# Altium PCB VCTS_mainboard_Photo.PcbDoc (part 2 of 4)
Units mm, origin at the board's own origin, x right, y up, seen from the top; angles counter-clockwise.
Board outline 215 x 98 mm, 6 copper layers (Top Copper, Signal Layer 1, Signal Layer 2, Signal Layer 3, Signal Layer 4, Bottom Copper), stack 1.502 mm thick; 528 components, 359 nets, 1476 pads, 756 vias.
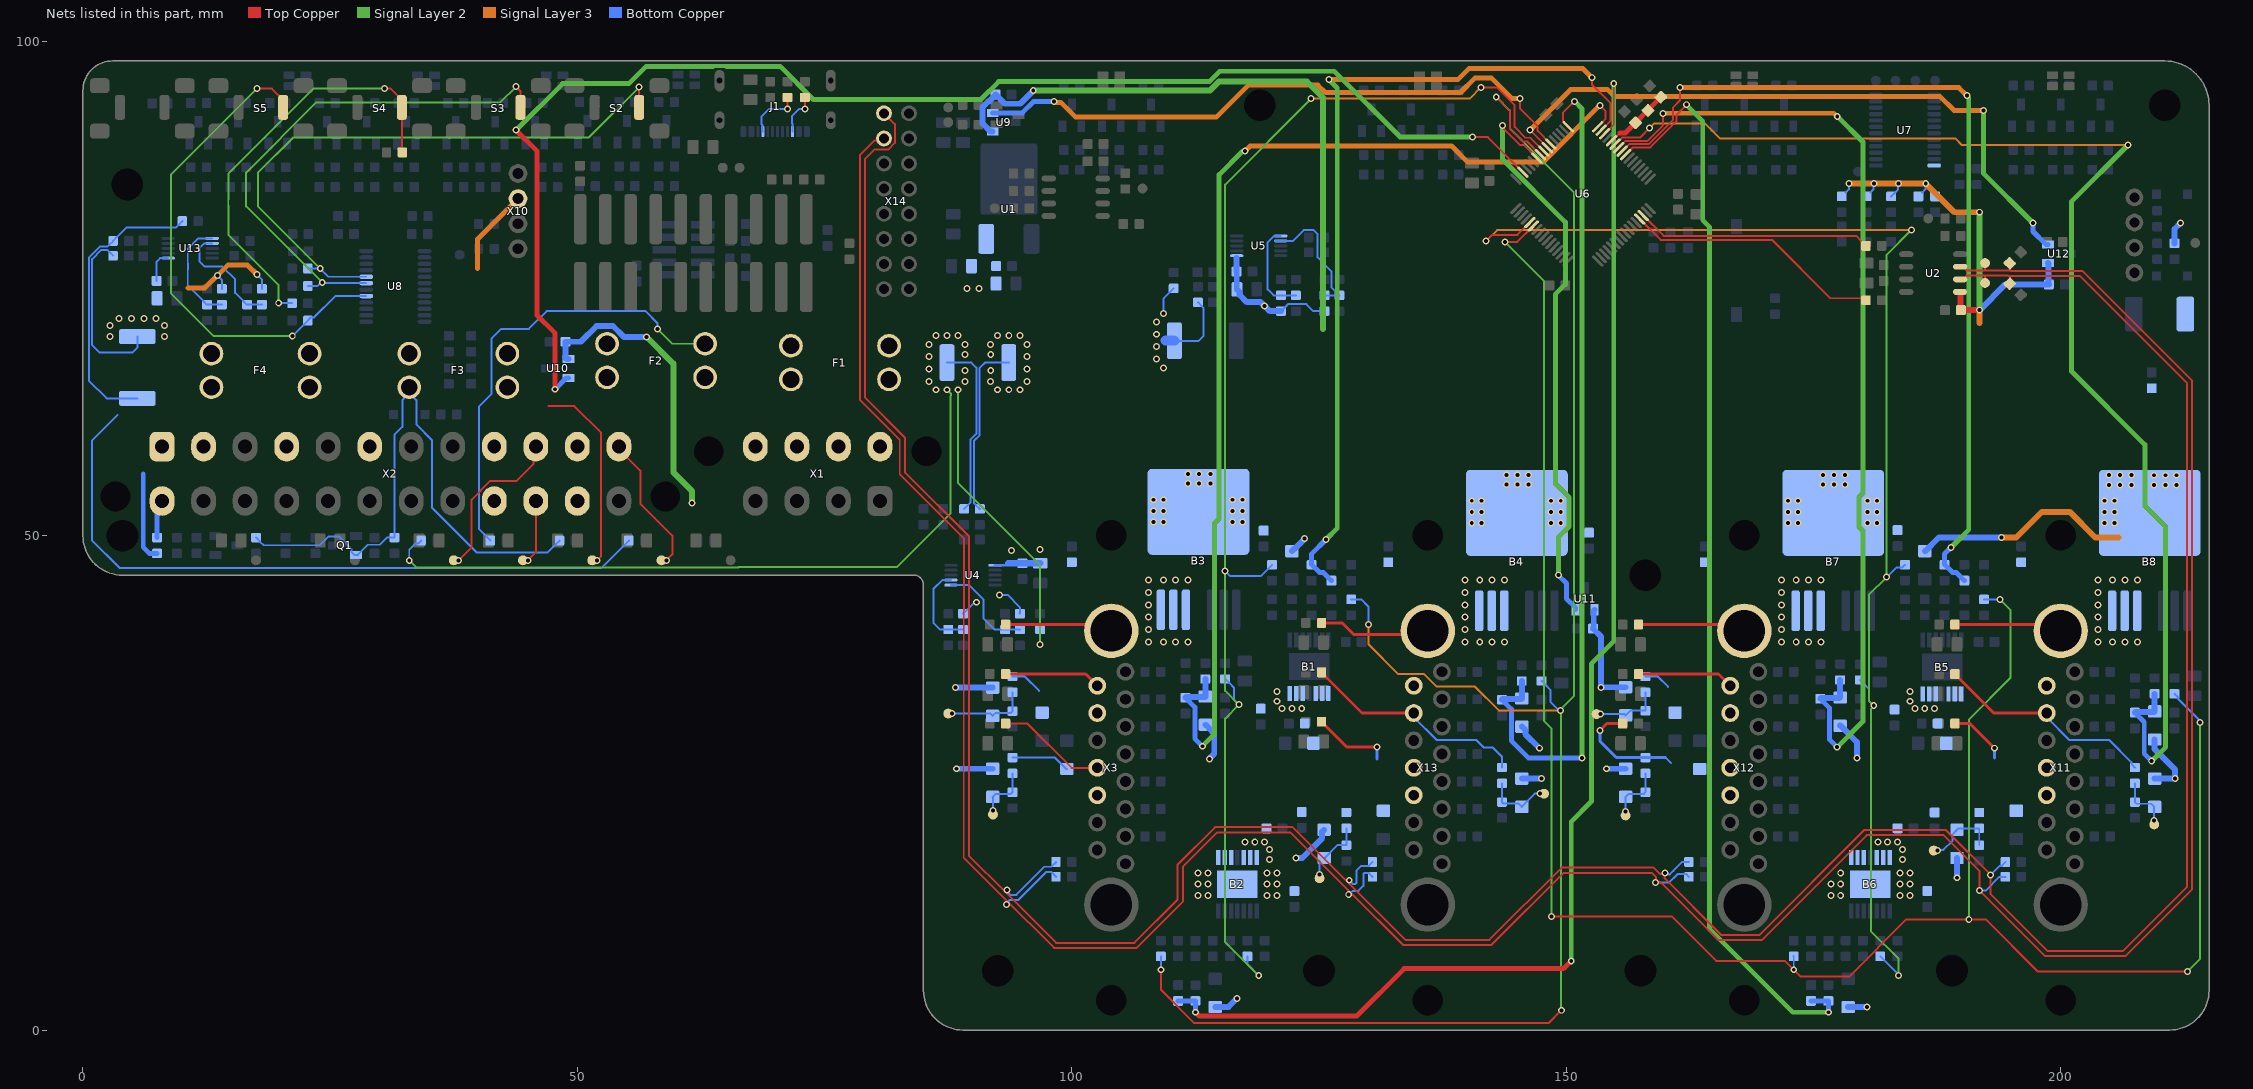
[diagram p6: the nets of this part, all layers, seen from the top]

## Components (designator, comment, footprint, x,y, rotation, side; value= is the part's Value field where it differs from the comment) (continued)
TP32 "1mm Testpoint" 1mm_testpoint 87.5,32 r0 top (schematic designator TP3)
TP33 "1mm Testpoint" 1mm_testpoint 147.75,23.9 r180 top (schematic designator TP4)
TP34 "1mm Testpoint" 1mm_testpoint 107.15,85.1 r90 top (schematic designator TP5)
TP35 "1mm Testpoint" 1mm_testpoint 92.2,83.1 r90 top (schematic designator TP6)
TP36 "1mm Testpoint" 1mm_testpoint 213.6,79.6 r90 top (schematic designator TP7)
TP37 "1mm Testpoint" 1mm_testpoint 156,21.7 r0 top (schematic designator TP8)
TP38 "1mm Testpoint" 1mm_testpoint 187.15,18.15 r270 top (schematic designator TP9)
TP39 "1mm Testpoint" 1mm_testpoint 153.05,31.95 r0 top (schematic designator TP10)
TP40 "1mm Testpoint" 1mm_testpoint 209.45,20.8 r90 top (schematic designator TP11)
TP41 "1mm Testpoint" 1mm_testpoint 186.6,82.05 r90 top (schematic designator TP12)
U1 "NCP1117DT33T5G" DPAK3_TO-252-3 93.64,84.1 r90 bottom (schematic designator U12)
U2 "ATA6561" SOIC-8 187.1,76.55 r0 top (schematic designator U8)
U3 "W25X40CL" SOIC-8 100.395,84.218 r0 top (schematic designator U9)
U4 "INA220-Q1" TSSOP-10 90,46 r0 bottom (schematic designator U10)
U5 "INA220-Q1" TSSOP-10 118.9,79.3 r180 bottom (schematic designator U11)
U6 "STM32F302x6/8" "LQFP 10mm x 10mm" 151.689,84.561 r225 top (schematic designator U1)
U7 "NCA9535-Q100" "TSSOP-24. 4.4mm width" 184.25,91 r0 bottom (schematic designator U6)
U8 "NCA9535-Q100" "TSSOP-24. 4.4mm width" 31.6,75.2 r180 bottom (schematic designator U7)
U9 "TMP235A4DCKR" SOT23-3 93.1,91.8 r0 bottom (schematic designator U2)
U10 "TMP235A4DCKR" SOT23-3 48,66.9 r180 bottom (schematic designator U3)
U11 "TMP235A4DCKR" SOT23-3 151.9,43.6 r90 bottom (schematic designator U4)
U12 "TMP235A4DCKR" SOT23-3 199.8,78.5 r0 bottom (schematic designator U5)
U13 "INA220-Q1" TSSOP-10 10.85,79.05 r180 bottom (schematic designator U11)
X1 "ATX 8 Pin Aux Power" "MOLEX 039299042" 85.3,58.54 r0 top
X2 "ATX 24 Pin Main Power" "MOLEX 44206-000X" 3.3,53.96 r180 top
X3 "681M17W2203L" 681M17W2203L 102.578,26.52 r90 top locked (schematic designator X10)
X4 "GenericPinHeader(0.1in)" GenericPinHeader(.1in) 207.45,76.58 r90 bottom (schematic designator X6)
X5 "GenericPinHeader(0.1in)" GenericPinHeader(.1in) 207.45,79.12 r90 bottom (schematic designator X7)
X6 "GenericPinHeader(0.1in)" GenericPinHeader(.1in) 207.45,81.66 r90 bottom (schematic designator X8)
X7 "GenericPinHeader(0.1in)" GenericPinHeader(.1in) 207.45,84.2 r90 bottom (schematic designator X9)
X8 "20021121-00010C4LF" HDR2X5_SMT 60.734,78.895 r90 bottom (schematic designator X3)
X9 "HTST-110-01-L-DV-A" HTSS-110-01-L-DV 61.73,78.571 r180 top (schematic designator X4)
X10 "" "RTC Module Generic" 25.966,82.82 r180 top (schematic designator X5)
X11 "681M17W2203L" 681M17W2203L 198.578,26.52 r90 top locked (schematic designator X10)
X12 "681M17W2203L" 681M17W2203L 166.578,26.52 r90 top locked (schematic designator X10)
X13 "681M17W2203L" 681M17W2203L 134.578,26.52 r90 top locked (schematic designator X10)
X14 "" 2x8PinHeader_0.1in 83.54,74.92 r90 top (schematic designator X11)

## Footprints (in the part's own frame and the unit in brackets; to place one, negate y for a bottom-side part, rotate by r counter-clockwise, add the part's x,y. Pads: shape width x height; smd on the part's side, far side on the other; paste and mask are expansions set on the pad)
1mm_testpoint [mm]
  round 1 smd paste-2539.97: 1(0,0)
2x8PinHeader_0.1in [mm] "Generic 2x8 (16pin) 0.1mm pitch pin header"
  round 1.6 hole 1.02: 1(0,0) 2(2.54,0) 3(5.08,0) 4(7.62,0) 5(10.16,0) 6(12.7,0) 7(15.24,0) 8(17.78,0) 9(17.78,2.54) 10(15.24,2.54) 11(12.7,2.54) 12(10.16,2.54) 13(7.62,2.54) 14(5.08,2.54) 15(2.54,2.54) 16(0,2.54)
  silkscreen extent -2,-3.08 19.78,4.54, body extent -1.3,-1.2 19.52,3.8, height 8.5
"4PLCC CreeLED" [mm]
  rrect25% 1.1x0.8 smd: 1(-0.85,0.55) 2(0.85,0.55) 3(0.85,-0.55) 4(-0.85,-0.55)
  silkscreen extent -1.8,1.15 -1.6,1.35, body extent -1,-1 1,1, height 1
0603_CAP [mm]
  rrect25% 1x1 smd: 1(-0.8,0) 2(0.8,0)
  silkscreen extent -1.5,-0.7 1.5,0.7, body extent -0.8,-0.41 0.8,0.41, height 0.82
0603_RES [mm] "Chip Resistor, 2-Leads, Body 1.60x0.80mm, IPC Medium Density"
  rrect25% 0.95x1 smd: 1(-0.8,0) 2(0.8,0)
  silkscreen extent -1.45,-0.7 1.45,0.7, body extent -0.8,-0.4 0.8,0.4, height 0.45
681M17W2203L [mil]
  round 70.87 hole 43: 1(327,0) 2(218,0) 3(109,0) 4(0,0) 5(-109,0) 6(-218,0) 7(-327,0) 8(382,-112) 9(273,-112) 10(164,-112) 11(55,-112) 12(-55,-112) 13(-164,-112) 14(-273,-112) 15(-382,-112)
  round 0 hole 121 unplated: 3(-926,-56) 3(926,-56)
  round 216.54 hole 165: A1(545,-56) A2(-545,-56)
  body extent -1044,-301 1044,191, height 521
0805_CAP [mm] "Chip Capacitor, Body 3.2x1.6mm, Height 1.9mm, IPC Low Density"
  rrect25% 1.1x1.45 smd: 1(-1,0) 2(1,0)
  silkscreen extent -1.75,-0.9 1.75,0.9, body extent -1.1,-0.65 1.1,0.65, height 1.1
0805_Ferrite [mm]
  rrect25% 1.1x1.45 smd: 1(-1,0) 2(1,0)
  silkscreen extent -1.75,-0.9 1.75,0.9, body extent -1,-0.6 1,0.6, height 0.9
0805_LED [mm]
  rrect25% 1.1x1.45 smd: 1(-1,0) 2(1,0)
  silkscreen extent -1.8,-1.03 2.1,1, body extent -1.05,-0.67 1.05,0.67, height 0.9
0805_RES [mm] "Chip Resistor, 2-Leads, Body 2.00x1.25mm, IPC Medium Density"
  rrect25% 1.1x1.45 smd: 1(-1,0) 2(1,0)
  silkscreen extent -1.75,-0.9 1.75,0.9, body extent -1.1,-0.72 1.1,0.72, height 0.5
1812_PTC_FUSE [mm]
  rrect25% 1.78x3.5 smd: 1(-2.6,0.004) 2(2.6,0)
  silkscreen extent -3.8,-2 3.8,2, body extent -2.35,-1.7 2.35,1.7, height 1.11
2512_RES [mm]
  rrect25% 1.5x3.7 smd: 1(-3.125,0) 2(3.125,0)
  silkscreen extent -4.1,-2.1 4.1,2.1, body extent -3.15,-1.55 3.15,1.55, height 0.55
3568MiniFuseHolder [mm]
  round 2.4 hole 1.7: 1(-4.96,-1.7) 1(-4.96,1.7) 2(4.96,-1.7) 2(4.96,1.7)
  silkscreen extent -8.25,-3.56 8.13,3.56, body extent -8,-3.35 8,3.38, height 16.17
DPAK3_TO-252-3 [mm] "D-PAK, 3-Pads, Body 6.21x6.73mm (max), IPC Medium Density"
  rrect25% 3x1.6 smd: 1(-4.1,2.29) 3(-4.1,-2.29)
  rrect10% 7.2x5.8 smd: 4(1.95,0)
  silkscreen extent -4.22,-3.35 -2.05,3.59, body extent -5,-3.25 4.98,3.25, height 2.5
DS04254201BKSMTTR [mm]
  rect 1.1x1.5 smd: 1(0,-4.45) 2(0,4.45)
  silkscreen extent -1.77,-5.7 1.77,3.1, body extent -1.77,-4.95 1.77,4.95, height 3.96
GCT_USB4500-03-0-A_REVA [mm]
  rrect50% 0.6x1.1 smd: A1_B12(-3.2,5.15) A4_B9(-2.4,5.15) B1_A12(3.2,5.15) B4_A9(2.4,5.15)
  rrect50% 0.3x1.1 smd: A5(-1.25,5.15) A6(-0.25,5.15) A7(0.25,5.15) A8(1.25,5.15) B5(1.75,5.15) B6(0.75,5.15) B7(-0.75,5.15) B8(-1.75,5.15)
  oval 1x2.2 hole 0.6 slot 1.8 at 90 deg mask+0: S1(-5.62,0) S4(5.62,0)
  oval 1x1.8 hole 0.6 slot 1.4 at 90 deg mask+0: S2(5.62,4) S3(-5.62,4)
  silkscreen extent -4.47,-1.6 4.47,6.45, body extent -5.78,-2.1 5.78,5.1, height 2.36
GenericPinHeader(.1in) [mm] "Generic .1in (2.54mm) pin header"
  round 1.8 hole 1.016: 1(0,0)
  body extent -1.27,-1.27 1.27,1.27, height 9.5
HDR2X5_SMT [mm] "Header, 10-Leads, Body 3.43x6.35mm, Pitch 1.27mm"
  rect 0.76x2.4 smd: 1(-2.54,-1.95) 2(-2.54,1.95) 3(-1.27,-1.95) 4(-1.27,1.95) 5(0,-1.95) 6(0,1.95) 7(1.27,-1.95) 8(1.27,1.95) 9(2.54,-1.95) 10(2.54,1.95)
  silkscreen extent -2.66,-3.82 -2.42,-3.58, body extent -3.17,-2.75 3.18,2.75, height 4.5
HTSS-110-01-L-DV [mil]
  rrect50% 50x200 smd: 01(-450,-135) 02(-450,135) 03(-350,-135) 04(-350,135) 05(-250,-135) 06(-250,135) 07(-150,-135) 08(-150,135) 09(-50,-135) 10(-50,135) 11(50,-135) 12(50,135) 13(150,-135) 14(150,135) 15(250,-135) 16(250,135) 17(350,-135) 18(350,135) 19(450,-135) 20(450,135)
  silkscreen extent -605,-175 575,190, body extent -575,-220 575,220, height 399
"LQFP 10mm x 10mm" [mm]
  oval 1.5x0.3 smd paste-0.06: 1(-5.85,3.75) 2(-5.85,3.25) 3(-5.85,2.75) 4(-5.85,2.25) 5(-5.85,1.75) 6(-5.85,1.25) 7(-5.85,0.75) 8(-5.85,0.25) 9(-5.85,-0.25) 10(-5.85,-0.75) 11(-5.85,-1.25) 12(-5.85,-1.75) 13(-5.85,-2.25) 14(-5.85,-2.75) 15(-5.85,-3.25) 16(-5.85,-3.75) 33(5.85,-3.75) 34(5.85,-3.25) 35(5.85,-2.75) 36(5.85,-2.25) 37(5.85,-1.75) 38(5.85,-1.25) 39(5.85,-0.75) 40(5.85,-0.25) 41(5.85,0.25) 42(5.85,0.75) 43(5.85,1.25) 44(5.85,1.75) 45(5.85,2.25) 46(5.85,2.75) 47(5.85,3.25) 48(5.85,3.75)
  oval 0.3x1.5 smd paste-0.06: 17(-3.75,-5.85) 18(-3.25,-5.85) 19(-2.75,-5.85) 20(-2.25,-5.85) 21(-1.75,-5.85) 22(-1.25,-5.85) 23(-0.75,-5.85) 24(-0.25,-5.85) 25(0.25,-5.85) 26(0.75,-5.85) 27(1.25,-5.85) 28(1.75,-5.85) 29(2.25,-5.85) 30(2.75,-5.85) 31(3.25,-5.85) 32(3.75,-5.85) 49(3.75,5.85) 50(3.25,5.85) 51(2.75,5.85) 52(2.25,5.85) 53(1.75,5.85) 54(1.25,5.85) 55(0.75,5.85) 56(0.25,5.85) 57(-0.25,5.85) 58(-0.75,5.85) 59(-1.25,5.85) 60(-1.75,5.85) 61(-2.25,5.85) 62(-2.75,5.85) 63(-3.25,5.85) 64(-3.75,5.85)
  silkscreen extent -5.97,-4.7 4.7,4.7, body extent -6,-6 6,6, height 1.6
"MOLEX 44206-000X" [mm] "MOLEX Mini Fit Jr 24 pin (ATX Main Connector)"
  rrect50% 2.5x3 hole 1.4: 1(-4.7,-5.04)
  oval 2.5x3 hole 1.4: 2(-8.9,-5.04) 3(-13.1,-5.04) 4(-17.3,-5.04) 5(-21.5,-5.04) 6(-25.7,-5.04) 7(-29.9,-5.04) 8(-34.1,-5.04) 9(-38.3,-5.04) 10(-42.5,-5.04) 11(-46.7,-5.04) 12(-50.9,-5.04) 13(-4.7,0.46) 14(-8.9,0.46) 15(-13.1,0.46) 16(-17.3,0.46) 17(-21.5,0.46) 18(-25.7,0.46) 19(-29.9,0.46) 20(-34.1,0.46) 21(-38.3,0.46) 22(-42.5,0.46) 23(-46.7,0.46) 24(-50.9,0.46)
  round 0 hole 3 unplated: Peg(-55.6,0) Peg(0,0)
  silkscreen extent -55.6,-7.3 0,2.3, body extent -53.85,-7.3 1,3.7, height 13
"MOLEX 039299042" [mm] "MOLEX Mini Fit Jr 8 pin (ATX Aux Connector)"
  rrect50% 2.5x3 hole 1.4: 1(-4.7,-5.04)
  oval 2.5x3 hole 1.4: 2(-8.9,-5.04) 3(-13.1,-5.04) 4(-17.3,-5.04) 5(-4.7,0.46) 6(-8.9,0.46) 7(-13.1,0.46) 8(-17.3,0.46)
  round 0 hole 3 unplated: Peg(-22,0) Peg(0,0)
  silkscreen extent -19.9,-7.3 -2,2.3, body extent -23.39,-7.3 1.39,3.7, height 12.8
PTS645V [mm]
  rrect50% 1x2.5 smd: 1(-2.25,3.7) 2(2.25,3.7)
  rrect50% 2x1.5 smd: TAB(-4.3,1.5) TAB(-4.3,6.1) TAB(4.3,6.1) TAB(4.3,1.5)
  Keep-Out Layer board cut-out: -0.8,-0.15 -0.952,-0.116 -1.074,-0.018 -1.142,0.122 -1.142,0.278 -1.074,0.418 -0.952,0.516 -0.8,0.55 -0.8,0.55 0.8,0.55 0.934,0.524 1.048,0.448 1.124,0.334 1.15,0.2 1.15,0.2 1.124,0.066 1.048,-0.048 0.934,-0.124 0.8,-0.15 0.8,-0.15
  body extent -4.75,-1.3 4.75,6.6, height 7
"RTC Module Generic" [mm]
  round 1.9 hole 1.1: 1(-18.034,-3.8) 2(-18.034,-1.26) 3(-18.034,1.28) 4(-18.034,3.82)
  silkscreen extent -19.2,-11.3 19.25,11.3, body extent -19.3,-11.4 25.45,11.4, height 19.61
SOD-123 [mm] "SODFL, 2-Leads, Body 1.55x3.70mm, IPC Medium Density"
  rrect15% 0.9x0.95 smd: 1(-1.575,0) 2(1.575,0)
  silkscreen extent -2.5,-0.85 -2.5,0.85, body extent -1.85,-0.85 1.85,0.85, height 1.35
SOD-123F [mm] "SODFL, 2-Leads, Body 1.80x3.50mm, IPC Medium Density"
  rrect20% 1.25x1.35 smd: 1(-1.425,0) 2(1.425,0)
  silkscreen extent -2.4,-1.1 -2.4,1.1, body extent -1.75,-0.95 1.75,0.95, height 1.15
SOIC-8 [mm] "SOIC, 8-Leads, Body 4.90x3.90mm, Pitch 1.27mm, IPC Medium Density"
  oval 1.45x0.6 smd: 1(-2.725,1.905) 2(-2.725,0.635) 3(-2.725,-0.635) 4(-2.725,-1.905) 5(2.725,-1.905) 6(2.725,-0.635) 7(2.725,0.635) 8(2.725,1.905)
  silkscreen extent -2.85,-2.5 1.6,2.88, body extent -3,-2.5 3,2.5, height 1.75
SOP65P600X115-15N [mm]
  rect 1.525x0.45 smd: 1(-2.712,1.95) 2(-2.712,1.3) 3(-2.712,0.65) 4(-2.712,0) 5(-2.712,-0.65) 6(-2.712,-1.3) 7(-2.712,-1.95) 8(2.712,-1.95) 9(2.712,-1.3) 10(2.712,-0.65) 11(2.712,0) 12(2.712,0.65) 13(2.712,1.3) 14(2.712,1.95)
  rect 2.75x4.1 smd: 15(0,0)
  silkscreen extent -3.47,2.52 -1.95,2.53, body extent -3,-2.45 3,2.45, height 1.15
SOT23-3 [mm] "SOT23, 3-Leads, Body 2.92x2.37mm, Pitch 0.95mm, IPC Medium Density, NUP2105L"
  rect 1.2x0.8 smd: 1(-1.1,0.95) 2(-1.1,-0.95) 3(1.1,0)
  silkscreen extent -1.12,-1.5 0.7,2.02, body extent -1.5,-1.5 1.5,1.5, height 1.25
TO-263-7 [mm] "7-Pads, Body 7.82x8.46mm (max), IPC Low Density"
  rrect50% 4.1x0.85 smd: 1(-6.1,3.81) 2(-6.1,2.54) 3(-6.1,1.27) 5(-6.1,-1.27) 6(-6.1,-2.54) 7(-6.1,-3.81)
  rrect10% 8.7x10.3 smd: 8(3.8,0)
  silkscreen extent -6.22,-5.1 -0.95,5.1, body extent -7.1,-5.1 7.9,5.1, height 4.5
TSSOP-10 [mm] "TSSOP, 10-Leads, Body 3.00x3.00mm, Pitch 0.50mm, IPC Medium Density"
  oval 1.35x0.3 smd: 1(-2.225,1) 2(-2.225,0.5) 3(-2.225,0) 4(-2.225,-0.5) 5(-2.225,-1) 6(2.225,-1) 7(2.225,-0.5) 8(2.225,0) 9(2.225,0.5) 10(2.225,1)
  silkscreen extent -2.35,-1.55 1.15,1.82, body extent -2.45,-1.55 2.45,1.55, height 1.1
"TSSOP-24. 4.4mm width" [mm] "TSSOP, 24-Leads, Body 7.80x4.40mm, Pitch 0.65mm, IPC Medium Density"
  oval 1.4x0.45 smd: 1(-2.95,3.575) 2(-2.95,2.925) 3(-2.95,2.275) 4(-2.95,1.625) 5(-2.95,0.975) 6(-2.95,0.325) 7(-2.95,-0.325) 8(-2.95,-0.975) 9(-2.95,-1.625) 10(-2.95,-2.275) 11(-2.95,-2.925) 12(-2.95,-3.575) 13(2.95,-3.575) 14(2.95,-2.925) 15(2.95,-2.275) 16(2.95,-1.625) 17(2.95,-0.975) 18(2.95,-0.325) 19(2.95,0.325) 20(2.95,0.975) 21(2.95,1.625) 22(2.95,2.275) 23(2.95,2.925) 24(2.95,3.575)
  silkscreen extent -3.07,-3.95 1.85,4.47, body extent -3.2,-3.95 3.2,3.95, height 1.1

## Part data
B1 B2 B5 B6: "PROFET +2 12V Smart High-Side Power Switch", Manufacturer_Name=Infineon, Supplier Part Number 1=726-BTS70082EPZXUMA1, Datasheet Link=https://4donline.ihs.com/images/VipMasterIC/IC/INFN/INFN-S-A0012431809/INFN-S-A0012432886-1.pdf?hkey=EF798316E3902B6ED9A73243A3159BB0, Geometry.Height=1.15mm, Manufacturer_Part_Number=BTS7008-2EPZ, Supplier 1=Mouser
B3 B4 B7 B8: "Power Switch/Driver 1:1 N-Channel 48A P/PG-TO-263-7-10", ComponentLink1Description=Digikey, ComponentLink1URL=https://www.digikey.com/en/products/detail/infineon-technologies/BTS500101TADATMA2/9693060, ComponentLink2Description=Datasheet, ComponentLink2URL=https://www.infineon.com/dgdl/Infineon-BTS50010-1TAD-DS-v01_01-EN.pdf?fileId=5546d462576f34750157c38810ca55cd
C1 C2 C3 C4 C5 C6 C7 C8 C9 C10 C11 C12 C24 C25 C26 C27 C28 C29 C30 C31 C37 C38 C39 C40 C41 C42 C43 C44 C45 C46 C47 C48 C49 C50 C51 C52 C53 C62 C63 C64 C65 C66 C67 C68 C69: Voltage=16V
C13 C14 C15 C32 C33 C34 C70 C71 C72: Voltage=25V
C16 C18 C20 C22 C54 C56 C58 C60: "Protection of BTS7008-2EPZ output during ESD events and BCI", Voltage=16V
C17 C21 C55 C59: "Sense signal filtering", Voltage=16V
D2 D9 D10: "Zener Diode 3.6 V 500 mW ±5% Surface Mount SOD-123", Package=SOD-123, ComponentLink1Description=Digikey, ComponentLink1URL=https://www.digikey.com/en/products/detail/onsemi/SZMMSZ5227BT1G/3063346, Num_Circuits=1, Vr=3.6
D3 D4 D5 D6 D7 D8 D16 D17 D18 D19 D20 D21 D31 D38 D39 D40 D41 D42 D43: "Generic 0805 LED", Color=Green
D11 D13 D15 D22 D24 D26 D27 D28 D33 D35 D37 D44 D46 D48 D49 D50: "Diode Schottky 30 V 2A Surface Mount SOD-123F", Package=SOD-123F, ComponentLink1Description=Digikey, ComponentLink1URL=https://www.digikey.com/en/products/detail/rohm-semiconductor/RBR2MM30BTFTR/9748137, Num_Circuits=1, Vf="490 mV @ 2 A", Vr=30
D12 D14 D23 D25 D34 D36 D45 D47: "Diode Super Barrier 40V 1A Surface Mount SOD-123F", Package=SOD-123F, ComponentLink1Description=Digikey, ComponentLink1URL=https://www.digikey.com/product-detail/en/diodes-incorporated/1N5819HW1-7-F/1N5819HW1-7-FDITR-ND/5768523, Num_Circuits=1, Vr=40V
D29: "Generic 0805 LED", Color=Orange
D30: "Zener Diode Array 1 Pair Common Anode 5.6 V 300 mW ±7% SOT-23-3", ComponentLink1Description=Datasheet, ComponentLink1URL=https://www.vishay.com/docs/86340/az23_series.pdf, ComponentLink2Description=Digikey, ComponentLink2URL=https://www.digikey.com/en/products/detail/vishay-general-semiconductor-diodes-division/AZ23C5V6-E3-18/3104165
D32 D51 D52 D53 D54 D55 D56 D57: "Red, Green, Blue (RGB) 622nm Red, 530nm Green, 470nm Blue LED Indication - Discrete 2V Red, 3V Green, 3V Blue 4-SMD, J-Lead", Package="SMD-4 Cree Inc.", Check_prices=https://www.snapeda.com/parts/CLMVC-FKA-CL1D1L71BB7C3C3/Cree+Inc./view-part/?ref=eda, MF="Cree Inc.", MP=CLMVC-FKA-CL1D1L71BB7C3C3, SnapEDA_Link=https://www.snapeda.com/parts/CLMVC-FKA-CL1D1L71BB7C3C3/Cree+Inc./view-part/?ref=snap
F1 F2 F3 F4: "Fuse Holder 30A 500V 1 Circuit Blade Through Hole", Max Current=30A, Max Voltage=500V, ComponentLink1Description=Digikey, ComponentLink1URL=https://www.digikey.com/product-detail/en/keystone-electronics/3568/36-3568-ND/2137306
F5: library part "PTC Fuse", "Generic PTC fuse footprints. Add", Current - Hold (Ih)=2.6A, Current - Trip (It)=5A
FB1: library part ChipFerrite, =Z@100MHz=200OHM, iMax=3A
J1: "Type C USB 2.0 Connector", Package=None, Availability="No availability data", Check_prices=https://www.snapeda.com/parts/USB4500-03-0-A/Global%20Connector%20Technology/view-part/6577171/?ref=eda, MF="Global Connector Technology", MP=USB4500-03-0-A, Price=None, SnapEDA_Link=https://www.snapeda.com/parts/USB4500-03-0-A/Global%20Connector%20Technology/view-part/6577171/?ref=snap
Q1: library part STR2P3LLH6, "P-Channel 2A (Ta) 350mW (Tc) Surface Mount SOT-23", current=2, Package=SOT-23, ComponentLink1Description=Digikey, ComponentLink1URL=https://www.digikey.com/en/products/detail/stmicroelectronics/STR2P3LLH6/5244876, ComponentLink2Description=Datasheet, ComponentLink2URL=https://www.st.com/content/ccc/resource/technical/document/datasheet/96/4a/55/9d/3c/16/47/d6/DM00084050.pdf/files/DM00084050.pdf/jcr:content/translations/en.DM00084050.pdf, Num_Circuits=1, rdson=56, Type="P Channel", vdsmax=30, vgsmax=20, Vt=10
Q2 Q3 Q4 Q5 Q6 Q7 Q8 Q9 Q10 Q11 Q12 Q13 Q14 Q15 Q16 Q17 Q18 Q19 Q20 Q21 Q22 Q23 Q24 Q25 Q26: "MOSFET N-CH 20V 2.8A SOT23", Continuous Drain Current=2.8A, Drain To Source Breakdown Voltage=20V, Drain To Source Resistance=61mΩ, Gate To Source Voltage=12V, Input Capacitace At Vds="130pF @ 10V", Manufacturer="Diodes Inc.", Max Forward Diode Voltage=1.2V, Max Junction Temp=+150°C, Package=SOT23, Power Dissipation=0.66W, Pulse Drain Current=12A, Temperature="-55°C to +150°C", Temperature Range Low=-55°C, Typ Forward Diode Voltage=0.7V, Automotive=Yes, Automotive Grade="Grade 0", Category=Trans, ComponentLink2Description=Datasheet, ComponentLink2URL=https://www.diodes.com/assets/Datasheets/DMG2302UK.pdf, Depletion Mode=False, Device Class L1="Discrete Semiconductors", Device Class L2=Transistors, Device Class L3=MOSFETs, Digikey Description="MOSFET N-CH 20V 2.8A SOT23", Drain To Source Voltage=20V, Footprint Url=https://www.diodes.com/assets/Package-Files/SOT23.pdf, Gate Charge At Vgs="2.8nC @ 10V", Height=1.1mm, Lead Free=Yes, Manufacturer Part Number=DMG2302UK-7, Number Of Channels=1, Number Of N Channels=1, Octopart=https://octopart.com/dmg2302uk-7-diodes+inc.-73850182, Reverse Recovery Charge=0.5nC, Reverse Recovery Time=5.3ns, RoHS=TRUE, Rthja Max=192°C/W, Standoff Height=0.013mm, Temperature Range High=+150°C, Threshold Vgs Max=1V, Threshold Vgs Min=0.3V, Turn Off Delay Time=4.2ns, Turn On Delay Time=0.6ns
R43: Power=2, Tolerance=1%
R49 R52 R67 R70 R83 R84 R173 R176 R191 R194 R207 R208: Tolerance=1%
R51 R69 R175 R193: library part Resistor, "Protection of the microcontroller during Overvoltage and Reverse Polarity / Necessary to switch OFF BTS7008-2EPZ output during Loss of Ground"
R53 R58 R71 R76 R177 R182 R195 R200: "Protection of the microcontroller during Overvoltage and Reverse Polarity / Necessary to switch OFF BTS7008-2EPZ output during Loss of Ground"
R54 R72 R178 R196: "Protection of microcontroller ADC input during Overvoltage, Reverse / Polarity, Loss of Ground / Value to be tuned according to microcontroller specifications"
R57 R75 R181 R199: "SENSE resistor", Tolerance=1%
R59 R60 R77 R78 R183 R184 R201 R202: "Protection of the microcontroller during Overvoltage and Reverse Polarity / Necessary to switch OFF BTS7008-2EPZ output during Loss of Ground", Tolerance=1%
R93 R217: Power=3, Tolerance=1%
S1: "DIP Switches / SIP Switches DIP Switch, SPST, 2.54 pitch, flat actuator, SMT, Tape and reel, 1 position, Black", Manufacturer_Name="CUI Devices", Mouser Part Number=490-DS04254201BK-STR, Arrow Part Number=DS04-254-2-01BK-SMT-TR, Arrow Price/Stock=https://www.arrow.com/en/products/ds04-254-2-01bk-smt-tr/cui-devices?region=nac, Datasheet Link=https://www.cuidevices.com/product/resource/supplyframepdf/ds04-254-smt.pdf, Height=4.3mm, Manufacturer_Part_Number=DS04-254-2-01BK-SMT-TR, Mouser Price/Stock=https://www.mouser.co.uk/ProductDetail/CUI-Devices/DS04-254-2-01BK-SMT-TR?qs=wnTfsH77Xs4xXRFXKF0ssg%3D%3D
S2 S3 S4 S5 S6: "Tactile Switch SPST-NO Side Actuated Surface Mount, Right Angle", current=0.05A, MaxVoltage=12V, ComponentLink1Description=Digikey, ComponentLink1URL=https://www.digikey.com/en/products/detail/c-k/PTS645SH95-2-LFS/1146763, Mounting=SMD, Name=PTS645V, Pole=1
TP1 TP2 TP3 TP4 TP5 TP6 TP7 TP8 TP9 TP16 TP17 TP18 TP19 TP20 TP21 TP22 TP23 TP24 TP25 TP30 TP31 TP32 TP33 TP34 TP35 TP36 TP37 TP38 TP39 TP40 TP41: "1mm test point", ComponentLink1Description=Digikey, ComponentLink1URL=https://www.digikey.com/product-detail/en/te-connectivity-amp-connectors/RCU-0C/A106145CT-ND/3477802
U1: "IC REG LINEAR 3.3V 1A DPAK"
U2: "1/1 Transceiver CANbus 8-SO", ComponentLink1Description=Digikey, ComponentLink1URL=https://www.digikey.com/en/products/detail/microchip-technology/ATA6561-GAQW-N/9453105, ComponentLink2Description=Datasheet, ComponentLink2URL=https://ww1.microchip.com/downloads/en/DeviceDoc/20005991B.pdf, Name=ATA6561, Type=CAN, vcc=5
U3: "FLASH Memory IC 4Mbit SPI 104 MHz 8-SOIC", Voltage=5, ComponentLink1Description=Digikey, ComponentLink1URL=https://www.digikey.com/en/products/detail/winbond-electronics/W25X40CLSNIG/3008652, Num_Circuits=1
U4 U5 U13: "Current Monitor Regulator High/Low-Side 10mA 10-VSSOP", ComponentLink1Description=Datasheet, ComponentLink1URL=https://www.analog.com/media/en/technical-documentation/data-sheets/6100fd.pdf, ComponentLink2Description=Digikey, ComponentLink2URL=https://www.digikey.com/product-detail/en/linear-technology-analog-devices/LT6100CMS8-TRPBF/LT6100CMS8-TRPBFCT-ND/7917234, Name=INA220-Q1
U6: Package=LQFP64, ComponentLink1Description=ST, ComponentLink1URL=https://www.st.com/en/microcontrollers-microprocessors/stm32f302r8.html, vcc=3V3
U7 U8: "I/O Expander 16 I2C, SMBus 400 kHz 24-TSSOP", ComponentLink1Description=Digikey, ComponentLink1URL=https://www.digikey.com/en/products/detail/nexperia-usa-inc/NCA9535PW-Q100J/19109486
U9 U10 U11 U12: "Temperature Sensor Analog, Local -40°C ~ 150°C 10mV/°C SOT-23-3", ComponentLink1Description=Digikey, ComponentLink1URL=https://www.digikey.com/en/products/detail/texas-instruments/TMP235A4DBZR/9649794
X1: "ATX Aux Power 8 Pin Connector", MfrPartNo=0039299082, ComponentLink1Description=Digikey, ComponentLink1URL=https://www.digikey.com/en/products/detail/molex/0039299082/1624283
X2: "ATX Main Power 24 Pin Connector", MfrPartNo=0442060007, ComponentLink1Description=Digikey, ComponentLink1URL=https://www.digikey.com/en/products/detail/molex/0442060007/3311018
X3 X11 X12 X13: "17 (15 + 2 Power) Position D-Sub, Combo Receptacle, Female Sockets Connector", Circuits=17, ComponentLink1Description=Digikey, ComponentLink1URL=https://www.digikey.com/en/products/detail/norcomp-inc/681M17W2203L001/4311857, Name=681M17W2203L
X4 X5 X6 X7: "Generic .1in(2.54mm) pitch pin header"
X8: "Header, 10-Leads, Body 3.43x6.35mm, Pitch 1.27mm", Circuits=10, ComponentLink1Description=Digikey, ComponentLink1URL=https://www.digikey.com/product-detail/en/amphenol-icc-fci/20021121-00010C4LF/609-3695-1-ND/2209147, Name=20021121-00010C4LF
X9: "Connector Header Surface Mount 20 position 0.100\" (2.54mm)", Package=None, Availability=Unavailable, ComponentLink1Description="Samtec Site", ComponentLink1URL=https://www.samtec.com/products/htst-110-01-l-dv-a, ComponentLink2Description=Digikey, ComponentLink2URL=https://www.digikey.com/en/products/detail/samtec-inc/HTST-110-01-L-DV-A/2664196, MF=Samtec, MP=SSM-110-F-DV-A, Price=None
X10: library part "RTC Module", "Generic RTC module with DS3231 and AT24C32"
X14: library part 2x8_0.1in, "Generic 2x8 0.1in pitch pin header"

## Free pads (board coordinates)
  round 0 hole 3.2 unplated: 6(4,50) 6(4.5,85.5) 6(92.5,6) 6(119,93.5) 6(125,6) 6(157.5,6) 6(158,46) 6(189,6) 6(210.5,93.5)

## Via types
v1: diameter 0.7, hole 0.4, Top Copper to Bottom Copper, tented both sides, 682 vias
v2: diameter 0.7, hole 0.4, Top Copper to Bottom Copper, tented top, 72 vias
v3: diameter 0.56, hole 0.3, Top Copper to Bottom Copper, tented both sides, 2 vias

## Nets (pads, with @x,y where several pads share a name; then routed paths per layer and width w, separated by ;. In a path a pad name is that pad's centre, name@x,y a point inside that pad or via, vN(x,y) a via of type N, cw(c..) or ccw(c..) an arc to the next point about the centre after c; other vN are vias at no path point)
3V3_ATX: F4.1 R10.2 R214.2 R215.2 R217.2 | length 99.5
  Bottom Copper w0.2: 3.514,62.214 0.904,59.604 0.904,49.531 3.7,46.735 52.46,46.735 55.2,49.475 R10.2@55.2,49.5 ; R217.2@5.5,63.875 2.395,63.875 0.6,65.67 0.6,78.098 1.742,79.24 2.49,79.24 2.65,79.4 2.665,79.4 3.05,79.785 R215.2@3.05,79.8 3.05,79.815 3.435,80.2 3.45,80.2 4.393,81.143 9.393,81.143 9.65,81.4 9.665,81.4 10.05,81.785 R214.2@10.05,81.8
3V3_IN0_U_Interface_Load_Switching1: R175.2 R193.2 R203.1 U6.37 | length 135.6
  Top Copper w0.2: v1(141.9,79.8) 142.504,80.404 145.058,80.404 U6.37@146.315,81.662
  Signal Layer 2 w0.2: v1(183.6,5.5) 183.6,7.2 180.796,10.004 180.796,32.453 181.09,32.747 v1(181.09,32.8) 180.6,33.29 180.592,33.298 180.6,33.306 180.6,44 v1(182.4,45.8) 182.4,78.4 v1(184.9,80.9)
  Signal Layer 3 w0.2: v1(141.9,79.8) 142.996,80.896 184.896,80.896 v1(184.9,80.9)
  Bottom Copper w0.2: R203.1@179.69,35.4 179.705,35.4 180.09,35.015 180.09,35 180.59,34.5 180.59,33.3 v1(181.09,32.8) ; R193.2@181.75,7.45 181.765,7.45 183.6,5.615 v1(183.6,5.5) ; v1(182.4,45.8) 183.394,46.794 183.994,46.794 R175.2@184.25,47.05
3V3_IN0_U_Interface_Load_Switching2: R51.2 R69.2 R79.1 U6.24 | length 133.9
  Top Copper w0.2: v1(141.372,95.314) 142.978,95.314 144.77,93.522 144.77,91.33 145.868,90.232 146.372,90.232 U6.24@147.73,88.874
  Signal Layer 2 w0.2: v1(118.9,5.5) 115.5,8.9 115.5,31.5 v1(116.9,32.9) 115.5,34.3 v1(115.5,46.4) 115.5,85.5 v1(124.2,94.2)
  Signal Layer 3 w0.2: v1(124.2,94.2) 124.222,94.222 140.279,94.222 v1(141.372,95.314)
  Bottom Copper w0.2: R79.1@115.5,35.5 115.515,35.5 115.9,35.115 115.9,35.1 116.4,34.6 116.4,33.4 v1(116.9,32.9) ; v1(115.5,46.4) 116,45.9 119.1,45.9 R51.2@120.25,47.05 ; R69.2@117.75,7.45 117.765,7.435 117.765,6.635 v1(118.9,5.5)
3V3_IN1_U_Interface_Load_Switching1: R182.2 R200.2 R204.1 U6.38 | length 212.1
  Top Copper w0.2: v1@143.812,79.7 145.061,79.7 U6.38@146.669,81.308 ; v1(148.5,11.5) 160.658,11.5 165.158,7 172.1,7 v1(173,6.1) 173.704,5.396 178.596,5.396 184.4,11.2 v1(190.7,11.2) 192.4,11.2 197.7,5.9 v1(212.8,5.9)
  Signal Layer 2 w0.2: v1(143.8,79.7) 147.736,75.764 147.736,31.264 148.5,30.5 v1(148.5,11.5) ; v1(190.7,11.2) 190.7,31.4 194.9,35.6 194.9,42.5 v1(193.85,43.55) ; v1(212.8,5.9) 214.1,7.2 v1(214.1,31.1)
  Bottom Copper w0.2: R200.2@172.95,7.5 R200.2@173,7.45 v1(173,6.1) ; R182.2@192.25,43.55 v1(193.85,43.55) ; R204.1@211.5,34 211.505,34 211.878,33.626 211.878,33.478 v1@214.004,31.352
3V3_IN1_U_Interface_Load_Switching2: R58.2 R76.2 R80.1 U6.25 | length 181.8
  Top Copper w0.2: v1(109,6.1) 109,4.1 112.4,0.7 148.2,0.7 v1(149.5,2) ; v1(142.916,94.355) 144.3,92.971 144.3,91.153 145.583,89.87 146.026,89.87 U6.25@147.376,88.52
  Signal Layer 2 w0.2: v1(142.916,94.355) 144.3,92.971 144.3,91.2 150.774,84.726 150.774,33.774 149.4,32.4 v1(149.4,32.3) 149.45,32.25 149.45,2.05 v1(149.5,2)
  Signal Layer 3 w0.2: v1(130,41) 130,39 132.974,36.026 135.604,36.026 136.899,34.731 140.769,34.731 143.2,32.3 v1(149.4,32.3)
  Bottom Copper w0.2: v1(109,6.1) R76.2@109,7.45 ; R58.2@128.25,43.55 129.25,43.55 130,42.8 v1(130,41) ; R80.1@147.5,35.3 147.515,35.3 147.9,34.915 147.9,34.9 148.4,34.4 148.4,33.2 149.3,32.3 v1(149.4,32.3)